# KiCad board airdata.kicad_pcb
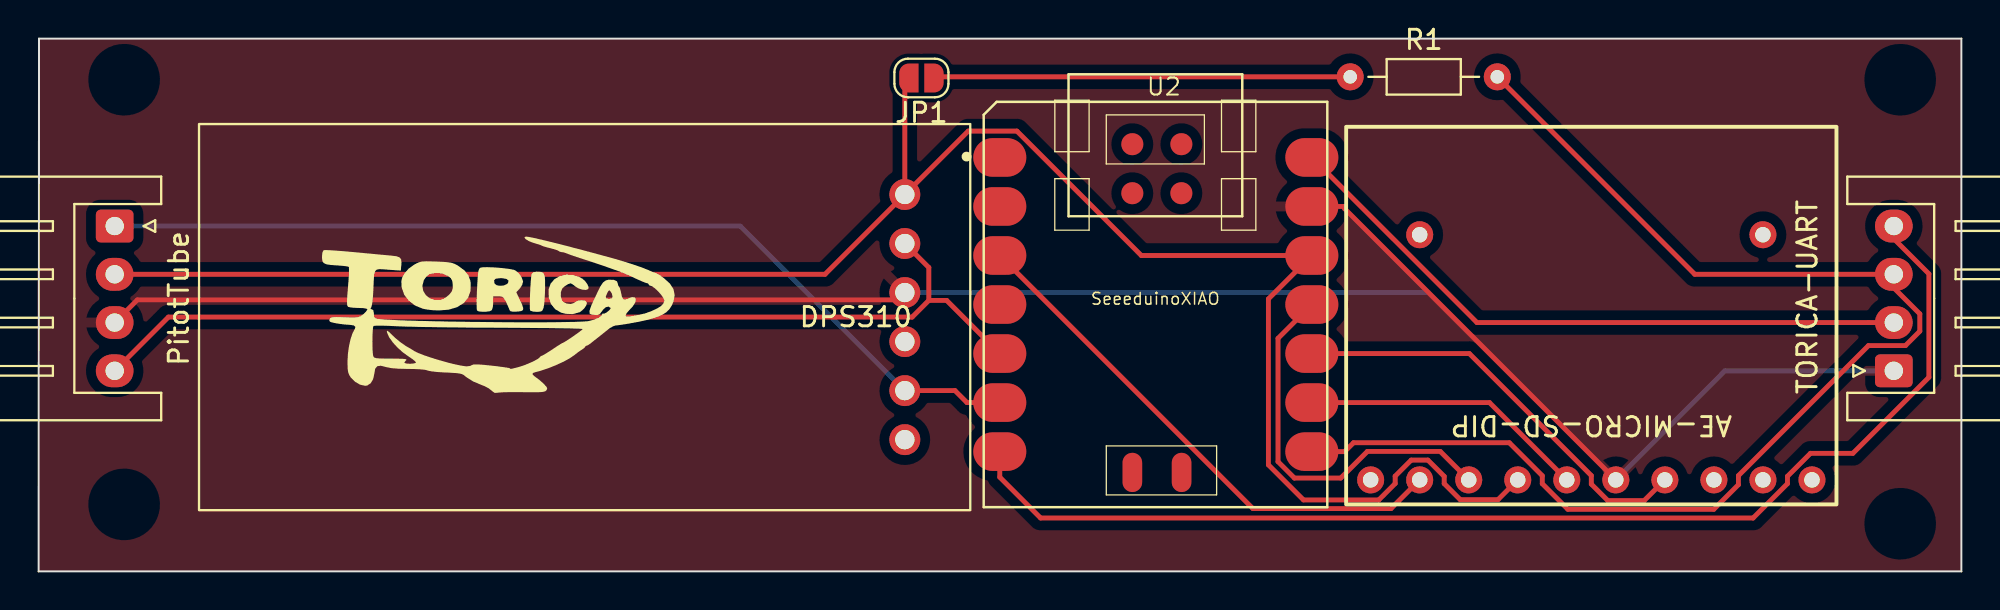
[diagram p0: board, top side]
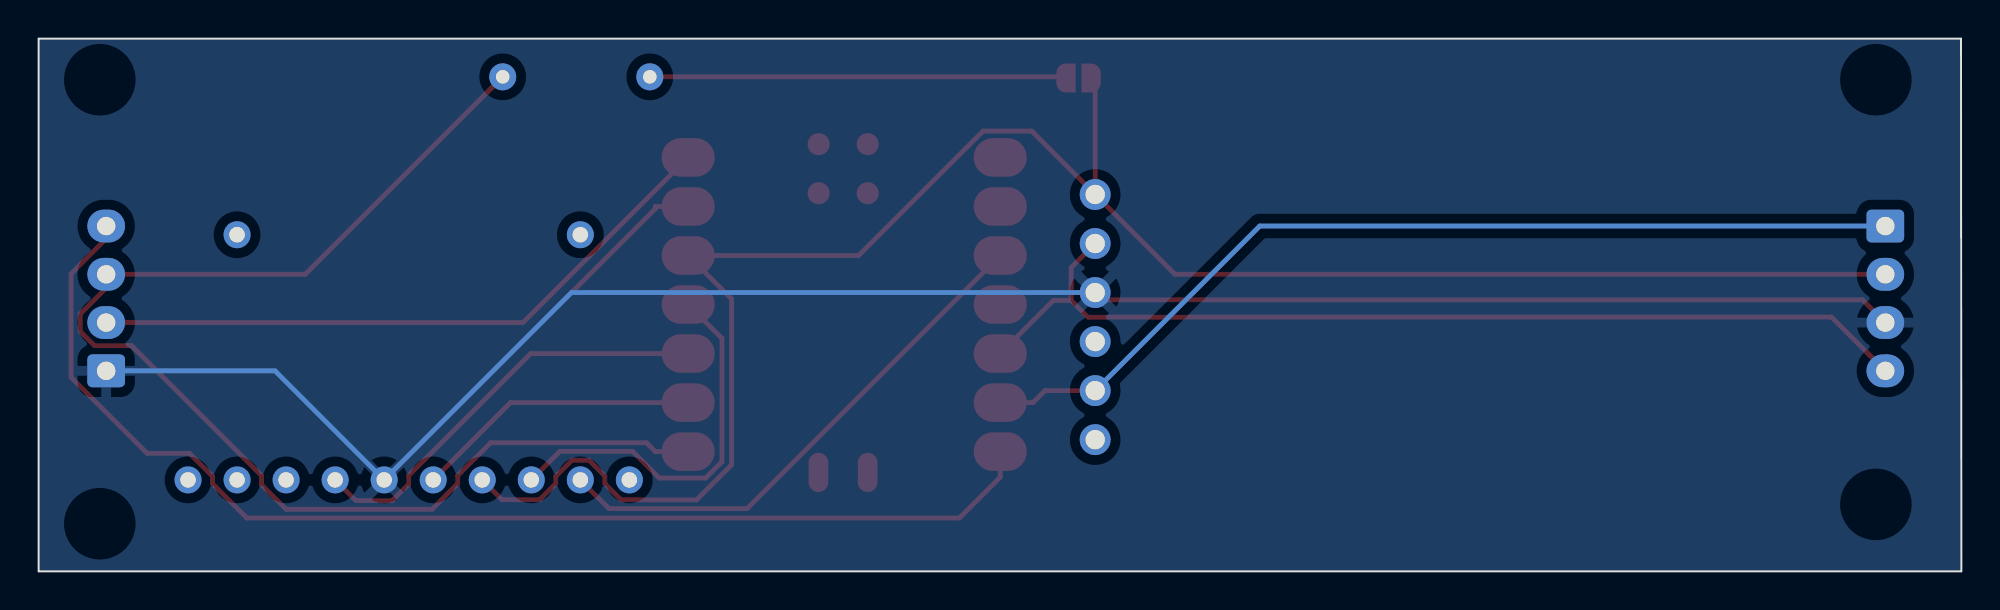
[diagram p1: board, bottom side, seen from below]

Outline 99.6 x 27.6 mm; copper layers: Top, Bottom. Coordinates in mm from the lower left corner of the outline.
Outline path: 0,0 99.6,0 99.6,27.6 0.02,27.6 0,0

## Placement (name value [footprint] x y rotation side)
G***  LOGO  [torica]  23.28 13.17 0 top
J1  AE-MICRO-SD-DIP  [microSD_AE-MICRO-SD-DIP]  80.43 3.47 180 top
JP1  SolderJumper_2_Open  [SolderJumper-2_P1.3mm_Open_RoundedPad1.0x1.5mm]  45.73 25.56 180 top
PitotTube1  PitotTube  [JST_XH_S4B-XH-A_1x04_P2.50mm_Horizontal]  3.94 17.89 270 top
R1  1k  [R_Axial_DIN0204_L3.6mm_D1.6mm_P7.62mm_Horizontal]  67.94 25.62 0 top
TORICA-UART1  TORICA-UART  [JST_XH_S4B-XH-A_1x04_P2.50mm_Horizontal]  96.1 10.39 90 top
U1  -  [DPS310]  28.36 13.17 0 top
U2  SeeeduinoXIAO  [Seeeduino XIAO-MOUDLE14P-2.54-21X17.8MM]  48.96 3.33 0 top

## Library data of the parts
J1 = -: Description: Micro SD Card Socket with card detection pins
JP1 = -: Description: Solder Jumper, 2-pole, open
PitotTube1 TORICA-UART1 = -: Description: Generic connector, single row, 01x04, script generated (kicad-library-utils/schlib/autogen/connector/)
R1 = -: Description: Resistor
U1 = -: Description: 高精度気圧センサ

## Footprints (pads in the part's own frame, mm; a bottom-side part is the same pattern mirrored in y, then rotated)
DPS310
  round 1.6 hole 1: 1(16.51,6.35) 2(16.51,3.81) 3(16.51,1.27) 4(16.51,-1.27) 5(16.51,-3.81) 6(16.51,-6.35)
JST_XH_S4B-XH-A_1x04_P2.50mm_Horizontal
  rrect 1.7x1.95 hole 0.95: 1(0,0)
  oval 1.7x1.95 hole 0.95: 2(2.5,0) 3(5,0) 4(7.5,0)
microSD_AE-MICRO-SD-DIP
  round 1.4 hole 0.8: 1(11.43,-1.27) 2(8.89,-1.27) 3(6.35,-1.27) 4(3.81,-1.27) 5(1.27,-1.27) 6(-1.27,-1.27) 7(-3.81,-1.27) 8(-6.35,-1.27) 9(-8.89,-1.27) 10(-11.43,-1.27) 11(-8.89,-13.97) 13(8.89,-13.97)
R_Axial_DIN0204_L3.6mm_D1.6mm_P7.62mm_Horizontal
  round 1.4 hole 0.7: 1(0,0)
  oval 1.4x1.4 hole 0.7: 2(7.62,0)
Seeeduino XIAO-MOUDLE14P-2.54-21X17.8MM
  oval 2.748x1.999 smd: 1(0.833,18.118) 2(0.833,15.578) 3(0.833,13.038) 4(0.833,10.498) 5(0.833,7.958) 6(0.833,5.418) 7(0.833,2.878) 8(16.998,2.878) 9(16.998,5.418) 10(16.998,7.958) 11(16.998,10.498) 12(16.998,13.038) 13(16.998,15.578) 14(16.998,18.118)
  oval 1.016x2.032 smd: 15(7.7,1.8) 16(10.25,1.8)
  round 1.143 smd: 17(7.699,18.804) 18(10.239,18.804) 19(7.699,16.264) 20(10.239,16.264)
SolderJumper-2_P1.3mm_Open_RoundedPad1.0x1.5mm
  custom 1x1.5 smd: 1(-0.65,0) 2(0.65,0)

## Nets
+3V3: J1.4 JP1.2 PitotTube1.2 U1.1 U2.12
+5V: TORICA-UART1.2 U2.14
GND: J1.6 PitotTube1.3 TORICA-UART1.1 U1.3 U2.13
/CS: J1.2 U2.3
/DRXT: TORICA-UART1.4 U2.7
/DTXR: R1.2 TORICA-UART1.3 U2.8
/SCL: PitotTube1.1 U1.5 U2.6
/SDA: PitotTube1.4 U1.2 U2.5
Net-(J1-CLK): J1.5 U2.9
Net-(J1-CMD): J1.3 U2.11
Net-(J1-DAT0): J1.7 U2.10
Net-(JP1-A): JP1.1 R1.1

Pads without a net: J1 1 8 9 10 11 13; U1 4 6; U2 1 2 4 15 16 17 18 19 20

## Routing (per net, layer and track width the routed paths; a pad name or vN(x,y) marks a point on that pad's centre or on a via; arc(x,y) is an arc through that point)
+3V3: length 101.9
  Top w0.25: JP1.2 44.87,25.35 44.87,19.53 ; PitotTube1.2 40.74,15.39 44.87,19.53 ; J1.4 75.59,3.71 73.64,3.71 72.81,4.55 72.81,4.92 71.97,5.77 71.1,5.77 70.27,4.93 70.27,4.55 69.42,3.7 65.52,3.7 63.7,5.52 63.7,14.11 U2.12 57.12,16.36 50.68,22.81 48.15,22.81 44.87,19.53
+5V: length 33.7
  Top w0.25: TORICA-UART1.2 74.51,12.89 U2.14
GND: length 120.8
  Top w0.25: U2.13 67.65,18.9 67.65,18.79 J1.6 ; U1.3 44.49,14.07 5.12,14.07 PitotTube1.3
  Bottom w0.25: TORICA-UART1.1 87.35,10.39 J1.6 72,14.44 U1.3
/CS: length 27.8
  Top w0.25: J1.2 70.05,3.25 62.9,3.25 U2.3
/DRXT: length 62.2
  Top w0.25: U2.7 49.79,4.88 51.9,2.77 88.81,2.77 90.59,4.55 90.59,4.92 91.78,6.12 93.98,6.12 97.92,10.05 97.92,15.41 96.1,17.23 TORICA-UART1.4
/DTXR: length 65.7
  Top w0.25: U2.8 67.65,6.2 68.11,6.67 76.18,6.67 77.89,4.96 77.89,4.54 79.22,3.22 86.77,3.22 88.05,4.49 88.05,4.96 94.79,11.7 96.7,11.7 97.45,12.44 97.45,13.34 96.1,14.69 TORICA-UART1.3 85.79,15.39 R1.2
/SCL: length 49.6
  Top w0.25: U1.5 47.47,9.36 48.09,8.74 U2.6
  Bottom w0.25: PitotTube1.1 36.34,17.89 U1.5
/SDA: length 52
  Top w0.25: PitotTube1.4 6.73,13.17 45.25,13.17 46.11,14.04 ; U2.5 47.04,14.04 46.11,14.04 ; 46.11,14.04 46.11,15.74 U1.2
Net-(J1-CLK): length 14.9
  Top w0.25: J1.5 75.16,8.74 U2.9
Net-(J1-CMD): length 20.3
  Top w0.25: U2.11 64.2,12.07 64.2,5.68 65.05,4.83 67.45,4.83 68.83,6.22 72.6,6.22 J1.3
Net-(J1-DAT0): length 22.1
  Top w0.25: J1.7 83.17,3.67 81.29,3.67 80.43,4.52 80.43,4.97 74.11,11.28 U2.10
Net-(JP1-A): length 21.6
  Top w0.25: JP1.1 46.44,25.62 R1.1

## Copper pours and planes (outline as drawn; the poured copper is in the pictures)
GND on Top, Bottom: 111.43,34.47 111.43,-4.53 -9.57,-4.53 -9.57,34.47
